# Altium PCB IPMC_TestBoard.PcbDoc
Units mil, origin at the board's own origin, x right, y up, seen from the top; angles counter-clockwise.
Board outline 5200 x 3400 mil, 4 copper layers (Component Side, Ground Plane, Power Plane, Solder Side), stack 33.234 mil thick; 63 components, 173 nets, 956 pads, 4 vias.
Unrouted connection lines stored in the file: 471.
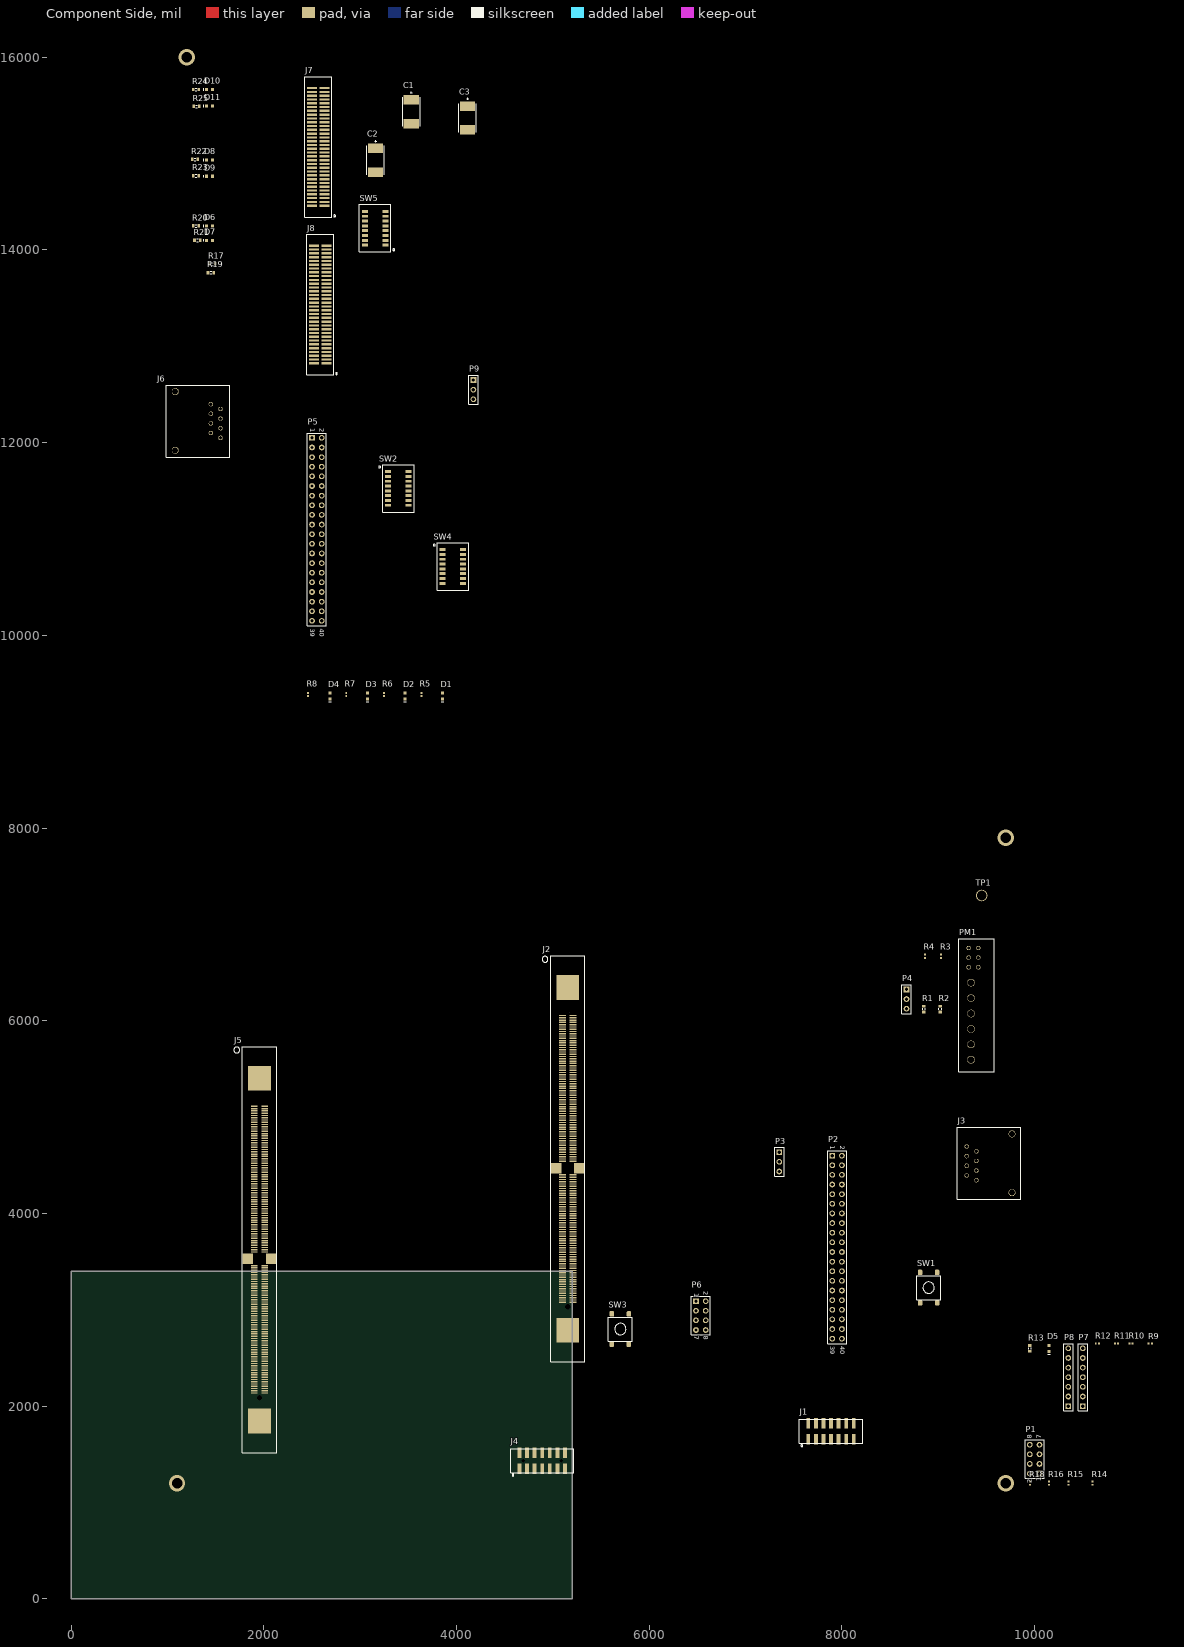
[diagram p0: Component Side view]
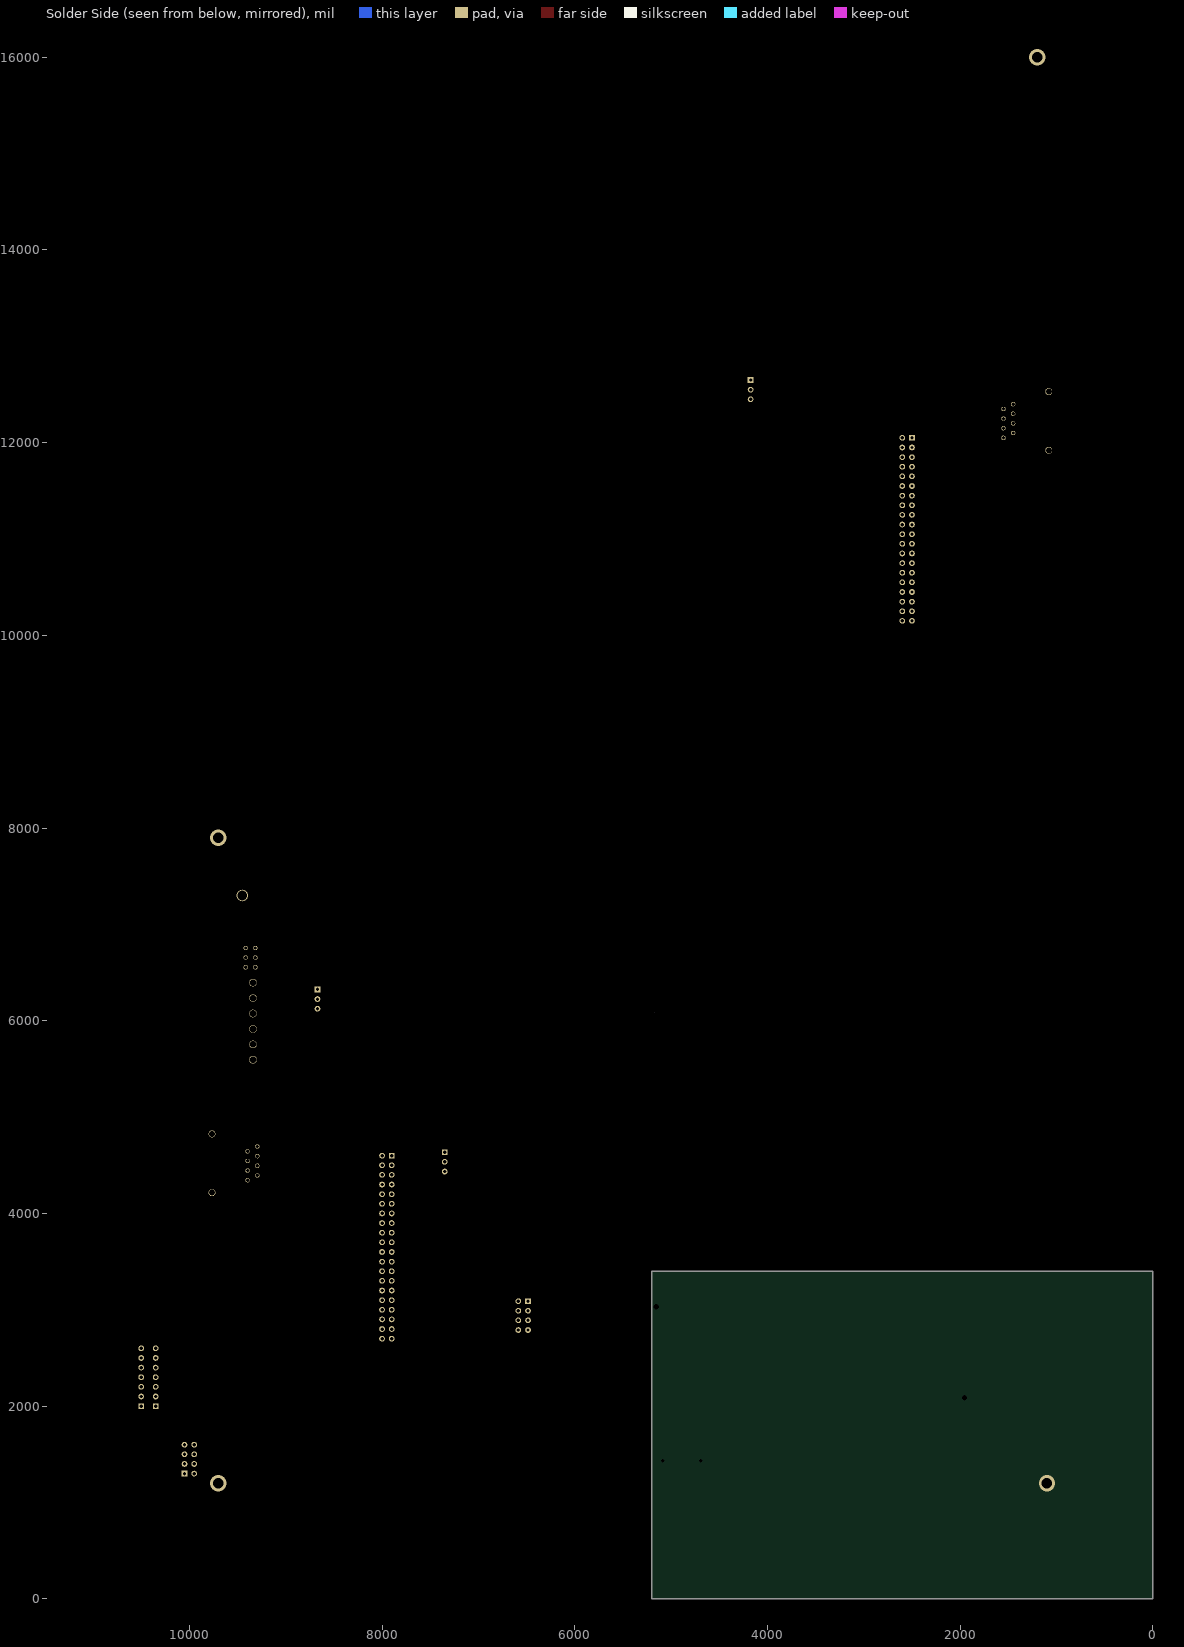
[diagram p1: Solder Side view, seen from below]
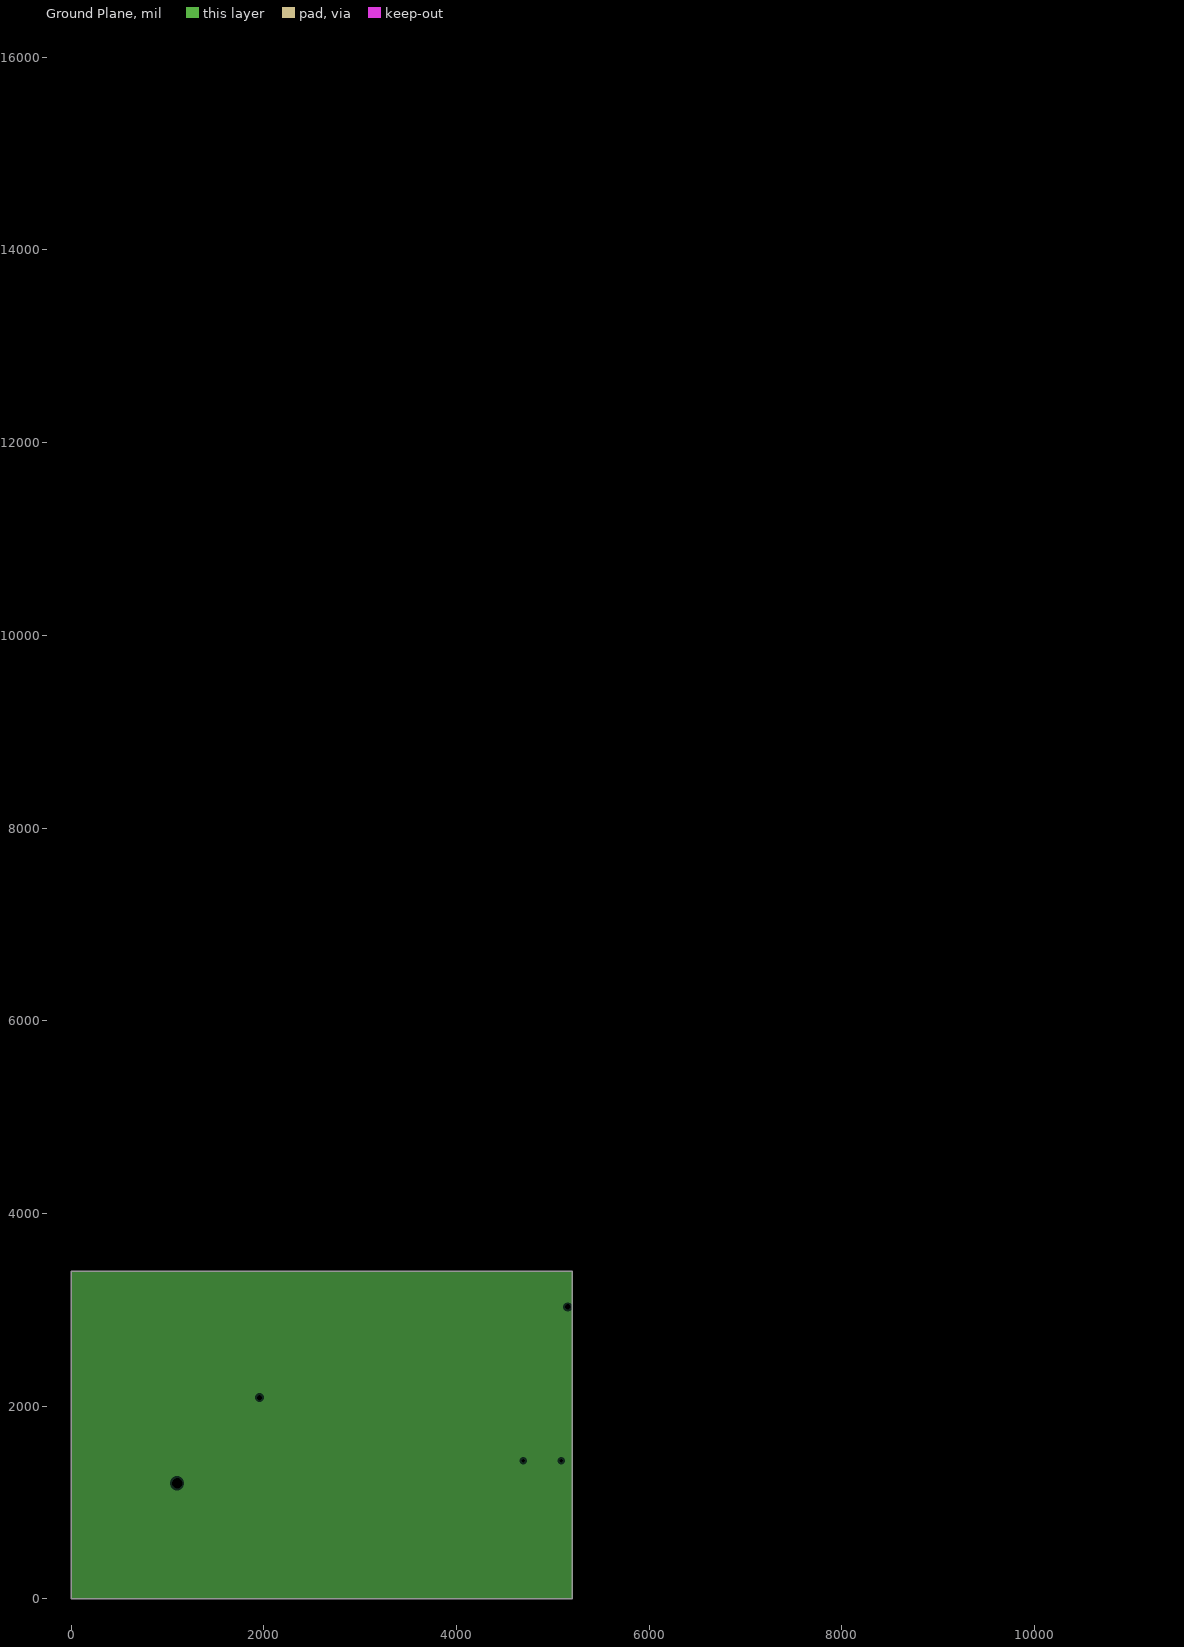
[diagram p2: Ground Plane, clearances drawn from the general rule]
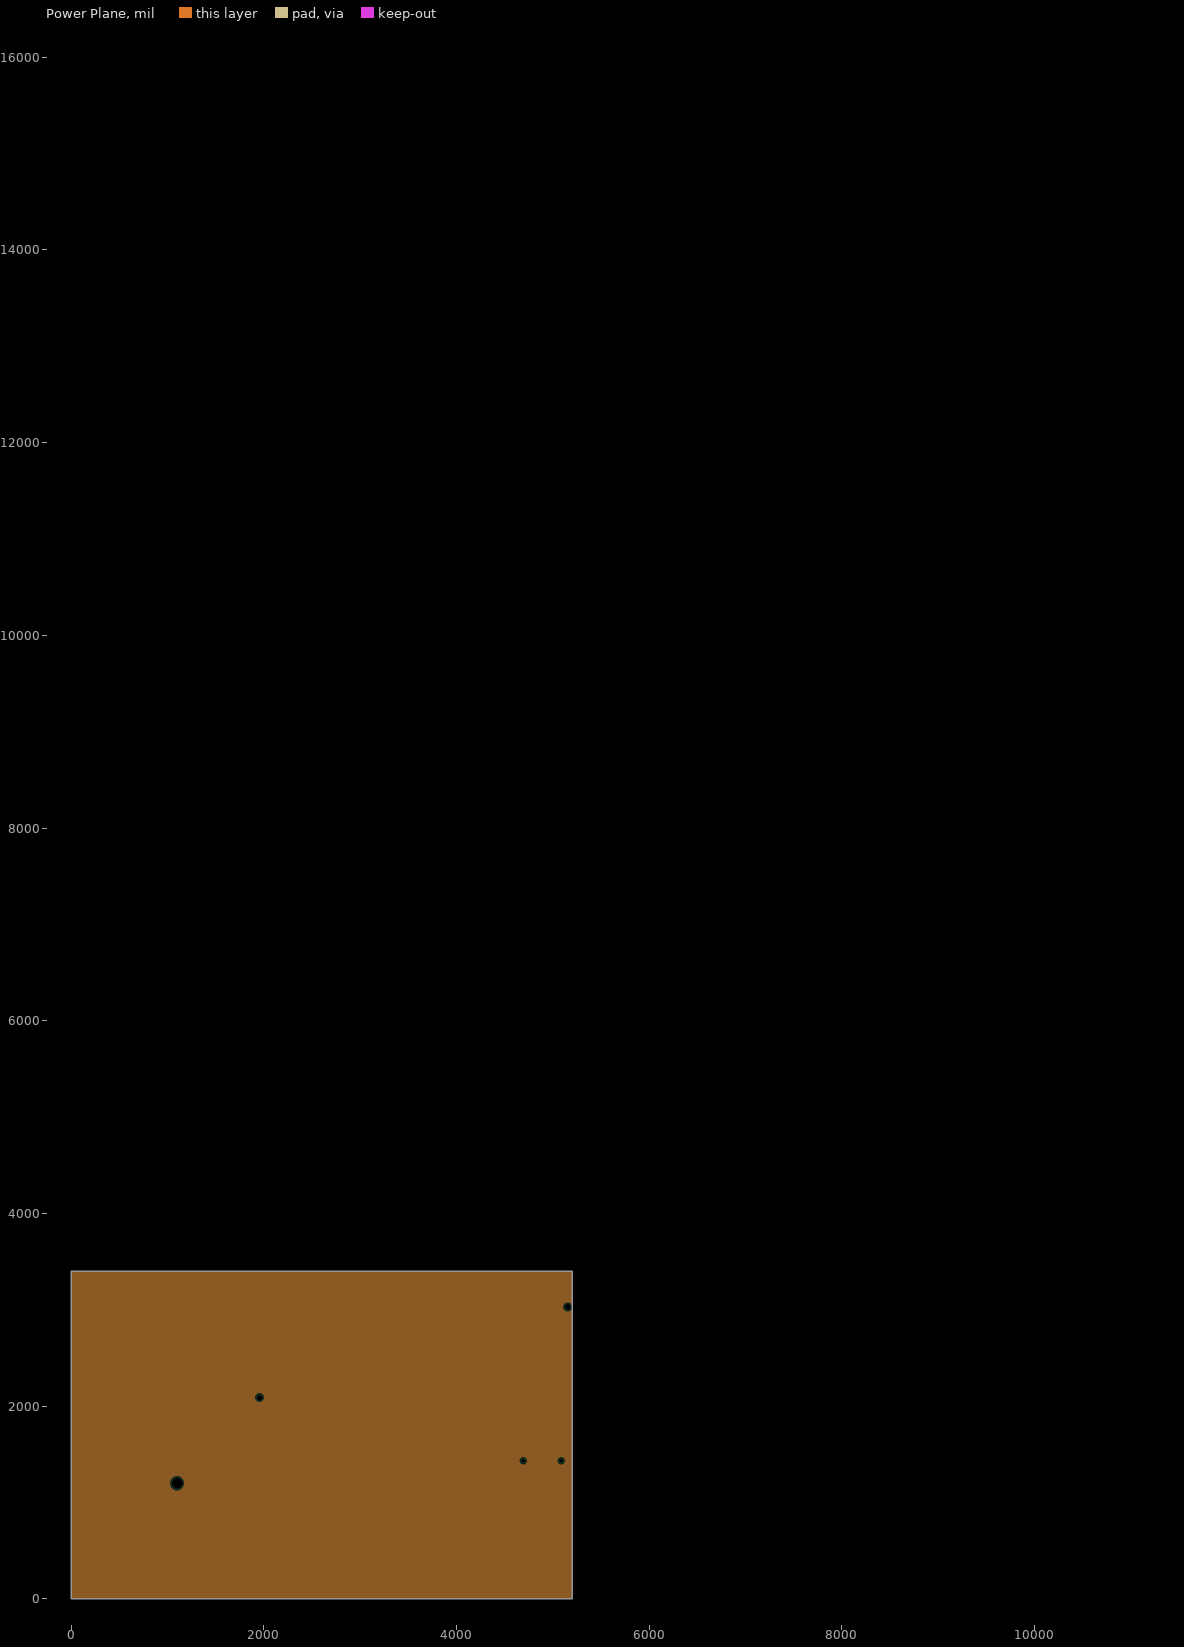
[diagram p3: Power Plane, clearances drawn from the general rule]

## Layer stack, top to bottom
Top Solder: solder mask 0.4, Solder Resist, Dk 3.5
Component Side: signal copper 1.4
Dielectric 1: core 12.6, FR-4, Dk 4.8
Ground Plane: plane copper 1.417
Dielectric 3: prepreg 5, Dk 4.2
Power Plane: plane copper 1.417
Dielectric 4: core 10, Dk 4.2
Solder Side: signal copper 1.4
Bottom Solder: solder mask 0.4, Solder Resist, Dk 3.5

## Board outline
0,0 0,3400 5200,3400 5200,0

## Design rules (kind name [scope] priority, off if disabled: settings)
Clearance [All] p1: gap=4 ignorepadtopadclearanceinfootprint=FALSE
PlaneClearance [All] p1: clearance=20
PlaneConnect [All] p1: planeconnectstyle=Relief reliefexpansion=20 reliefentries=4 reliefconductorwidth=10 reliefairgap=10
PolygonConnect [All] p1: connectstyle=Relief reliefconductorwidth=10 reliefentries=4 polygonreliefangle="90 Angle" airgapwidth=10
RoutingVias [All] p1: holewidth=28 width=50 viastyle="Through Hole" minholewidth=28 minwidth=50 maxholewidth=28 maxwidth=50
SolderMaskExpansion [All] p1: expansion=4
Width [All] p1: maxlimit=10 minlimit=10 preferedwidth=10
28 further rules are at their usual default settings.

## Classes and differential pairs
component class IPMC_Control: C1 J1 J2 J3 P1 P3 SW1
component class IPMC_TestBoard: C2 PM1 R1 R2 R3 R4 TP1
component class IPMC_UnderTesting: C3 D1 D2 D3 D4 D5 J4 J5 J6 P6 P7 P8 P9 P? R5 R6 R7 R8 R9 R10 R11 R12 R13 SW3 SW4 SW5
component class MMC_Interface: D6 D7 D8 D9 D10 D11 J7 J8 R14 R15 R16 R17 R18 R19 R20 R21 R22 R23 R24 R25 SW4 SW5

## Components (designator, comment, footprint, x,y, rotation, side; value= is the part's Value field where it differs from the comment)
C1 "150uF" VISH-293D-7343-31_V 3530,15435 r270 top
C2 "150uF" VISH-293D-7343-31_V 3160,14930 r270 top
C3 "150uF" VISH-293D-7343-31_V 4115,15370 r270 top
D1 "BLUE" LED0603_M 3855,9370 r90 top
D2 "BLUE" LED0603_M 3465,9370 r90 top
D3 "BLUE" LED0603_M 3075,9370 r90 top
D4 "BLUE" LED0603_M 2685,9370 r90 top
D5 "GREEN" LED0603_M 10150,2600 r90 top
D6 "GREEN" LED0603_M 1435,14250 r0 top
D7 "GREEN" LED0603_M 1435,14100 r0 top
D8 "BLUE" LED0603_M 1435,14935 r0 top
D9 "BLUE" LED0603_M 1435,14765 r0 top
D10 "OPEN" LED0603_M 1435,15665 r0 top
D11 "OPEN" LED0603_M 1435,15495 r0 top
J1 "?" 87832-1420 7650.63,1740 r0 top
J2 "IPMC" 87782-3007 5154.33,4470.87 r270 top
J3 "Ethernet Jack" 43202-8916 9395,4345 r90 top
J4 "?" 87832-1420 4652.52,1433.86 r0 top
J5 "IPMC" 87782-3007 1954.33,3529.13 r270 top
J6 "Ethernet Jack" 43202-8916 1450,12400 r270 top
J7 "MMC" 5120527-1 2564.96,15128.74 r90 top
J8 "MMC" 5120527-1 2585.04,13492.52 r90 top
P1 "IPMC XVC to CTRL JTAG" HDR2X4 10050,1300 r90 top
P2 "CTRL GPIO EXP" HDR2X20 7900,4600 r270 top
P3 "Control UART" HDR1X3 7350,4635 r270 top
P4 "PWREN" HDR1X3 8670,6325 r270 top
P5 "Header 20X2" HDR2X20 2500,12050 r270 top
P6 "JTAG Connect" HDR2X4 6485,3090 r270 top
P7 "MMC0 CTRL" HDR1X7 10500,2000 r90 top
P8 "MMC1 CTRL" HDR1X7 10350,2000 r90 top
P9 "IPMC UART" HDR1X3 4175,12650 r270 top
PM1 "UWLVPWRMODV2-PAR" UWLVPWRMODV2 9580,6850 r180 top
R1 "?" R0603 8850,6120 r270 top value=10k
R2 "?" R0603 9020,6120 r270 top value=10k
R3 "?" R0402 9030,6670 r270 top value=4.53k
R4 "?" R0402 8860,6670 r270 top value=26.1
R5 "?" R0402_IPC_H 3635,9385 r90 top value=681
R6 "?" R0402_IPC_H 3245,9385 r90 top value=681
R7 "?" R0402_IPC_H 2855,9385 r90 top value=681
R8 "?" R0402_IPC_H 2460,9385 r90 top value=681
R9 "?" R0402_IPC_H 11200,2650 r0 top value=10k
R10 "?" R0402_IPC_H 11000,2650 r0 top value=OPEN
R11 "?" R0402_IPC_H 10850,2650 r0 top value=10k
R12 "?" R0402_IPC_H 10650,2650 r0 top value=OPEN
R13 "?" R0603 9950,2600 r90 top value=681
R14 "?" R0402_IPC_H 10600,1200 r90 top value=OPEN
R15 "?" R0402_IPC_H 10350,1200 r90 top value=OPEN
R16 "?" R0402_IPC_H 10150,1200 r90 top value=OPEN
R17 "?" R0603 1465,13855 r0 top value=10k
R18 "?" R0402_IPC_H 9950,1200 r90 top value=OPEN
R19 "?" R0603 1450,13765 r0 top value=10k
R20 "?" R0603 1295,14250 r0 top value=681
R21 "?" R0603 1310,14100 r0 top value=681
R22 "?" R0603 1285,14940 r0 top value=681
R23 "?" R0603 1295,14770 r0 top value=681
R24 "?" R0603 1295,15665 r0 top value=OPEN
R25 "?" R0603 1300,15490 r0 top value=OPEN
SW1 "DTSM-61NT/R" DIPT-DTSM-6_V 8900,3230 r270 top
SW2 "SW-DIP-8" TDA208H0 3500,11700 r270 top
SW3 "DTSM-61NT/R" DIPT-DTSM-6_V 5700,2800 r270 top
SW4 "SW-DIP-8" TDA208H0 4065,10890 r270 top
SW5 "SW-DIP-8" TDA208H0 3050,14050 r90 top
TP1 "TP" TP 9450,7300 r180 top

## Footprints (in the part's own frame and the unit in brackets; to place one, negate y for a bottom-side part, rotate by r counter-clockwise, add the part's x,y. Pads: shape width x height; smd on the part's side, far side on the other; paste and mask are expansions set on the pad)
43202-8916 [mil] "Molex 43202-8916"
  round 45 hole 35: 1(0,0) 2(50,100) 3(100,0) 4(150,100) 5(200,0) 6(250,100) 7(300,0) 8(350,100)
  round 72 hole 62: 9(-130,-370) 10(480,-370)
  round 0 hole 128 unplated: ""(-50,-250) ""(400,-250)
  silkscreen extent -197,-461 551,197, body extent -149,-567 495,167, height 476
87782-3007 [mm] "Molex 87782-3009"
  rect 0.35x1.75 smd: 1(-40.2,-1.38) 2(-39.6,-1.38) 3(-39,-1.38) 4(-38.4,-1.38) 5(-37.8,-1.38) 6(-37.2,-1.38) 7(-36.6,-1.38) 8(-36,-1.38) 9(-35.4,-1.38) 10(-34.8,-1.38) 11(-34.2,-1.38) 12(-33.6,-1.38) 13(-33,-1.38) 14(-32.4,-1.38) 15(-31.8,-1.38) 16(-31.2,-1.38) 17(-30.6,-1.38) 18(-30,-1.38) 19(-29.4,-1.38) 20(-28.8,-1.38) 21(-28.2,-1.38) 22(-27.6,-1.38) 23(-27,-1.38) 24(-26.4,-1.38) 25(-25.8,-1.38) 26(-25.2,-1.38) 27(-24.6,-1.38) 28(-24,-1.38) 29(-23.4,-1.38) 30(-22.8,-1.38) 31(-22.2,-1.38) 32(-21.6,-1.38) 33(-21,-1.38) 34(-20.4,-1.38) 35(-19.8,-1.38) 36(-19.2,-1.38) 37(-18.6,-1.38) 38(-18,-1.38) 39(-17.4,-1.38) 40(-16.8,-1.38) 41(-16.2,-1.38) 42(-15.6,-1.38) 43(-15,-1.38) 44(-14.4,-1.38) 45(-13.8,-1.38) 46(-13.2,-1.38) 47(-12.6,-1.38) 48(-12,-1.38) 49(-11.4,-1.38) 50(-10.8,-1.38) 51(-10.2,-1.38) 52(-9.6,-1.38) 53(-9,-1.38) 54(-8.4,-1.38) 55(-7.8,-1.38) 56(-7.2,-1.38) 57(-6.6,-1.38) 58(-6,-1.38) 59(-5.4,-1.38) 60(-4.8,-1.38) 61(-4.2,-1.38) 62(-3.6,-1.38) 63(-3,-1.38) 64(-2.4,-1.38) 65(-1.8,-1.38) 66(1.8,-1.38) 67(2.4,-1.38) 68(3,-1.38) 69(3.6,-1.38) 70(4.2,-1.38) 71(4.8,-1.38) 72(5.4,-1.38) 73(6,-1.38) 74(6.6,-1.38) 75(7.2,-1.38) 76(7.8,-1.38) 77(8.4,-1.38) 78(9,-1.38) 79(9.6,-1.38) 80(10.2,-1.38) 81(10.8,-1.38) 82(11.4,-1.38) 83(12,-1.38) 84(12.6,-1.38) 85(13.2,-1.38) 86(13.8,-1.38) 87(14.4,-1.38) 88(15,-1.38) 89(15.6,-1.38) 90(16.2,-1.38) 91(16.8,-1.38) 92(17.4,-1.38) 93(18,-1.38) 94(18.6,-1.38) 95(19.2,-1.38) 96(19.8,-1.38) 97(20.4,-1.38) 98(21,-1.38) 99(21.6,-1.38) 100(22.2,-1.38) 101(22.8,-1.38) 102(23.4,-1.38) 103(24,-1.38) 104(24.6,-1.38) 105(25.2,-1.38) 106(25.8,-1.38) 107(26.4,-1.38) 108(27,-1.38) 109(27.6,-1.38) 110(28.2,-1.38) 111(28.8,-1.38) 112(29.4,-1.38) 113(30,-1.38) 114(30.6,-1.38) 115(31.2,-1.38) 116(31.8,-1.38) 117(32.4,-1.38) 118(33,-1.38) 119(33.6,-1.38) 120(34.2,-1.38) 121(34.8,-1.38) 122(35.4,-1.38) 123(-40.2,1.38) 124(-39.6,1.38) 125(-39,1.38) 126(-38.4,1.38) 127(-37.8,1.38) 128(-37.2,1.38) 129(-36.6,1.38) 130(-36,1.38) 131(-35.4,1.38) 132(-34.8,1.38) 133(-34.2,1.38) 134(-33.6,1.38) 135(-33,1.38) 136(-32.4,1.38) 137(-31.8,1.38) 138(-31.2,1.38) 139(-30.6,1.38) 140(-30,1.38) 141(-29.4,1.38) 142(-28.8,1.38) 143(-28.2,1.38) 144(-27.6,1.38) 145(-27,1.38) 146(-26.4,1.38) 147(-25.8,1.38) 148(-25.2,1.38) 149(-24.6,1.38) 150(-24,1.38) 151(-23.4,1.38) 152(-22.8,1.38) 153(-22.2,1.38) 154(-21.6,1.38) 155(-21,1.38) 156(-20.4,1.38) 157(-19.8,1.38) 158(-19.2,1.38) 159(-18.6,1.38) 160(-18,1.38) 161(-17.4,1.38) 162(-16.8,1.38) 163(-16.2,1.38) 164(-15.6,1.38) 165(-15,1.38) 166(-14.4,1.38) 167(-13.8,1.38) 168(-13.2,1.38) 169(-12.6,1.38) 170(-12,1.38) 171(-11.4,1.38) 172(-10.8,1.38) 173(-10.2,1.38) 174(-9.6,1.38) 175(-9,1.38) 176(-8.4,1.38) 177(-7.8,1.38) 178(-7.2,1.38) 179(-6.6,1.38) 180(-6,1.38) 181(-5.4,1.38) 182(-4.8,1.38) 183(-4.2,1.38) 184(-3.6,1.38) 185(-3,1.38) 186(-2.4,1.38) 187(-1.8,1.38) 188(1.8,1.38) 189(2.4,1.38) 190(3,1.38) 191(3.6,1.38) 192(4.2,1.38) 193(4.8,1.38) 194(5.4,1.38) 195(6,1.38) 196(6.6,1.38) 197(7.2,1.38) 198(7.8,1.38) 199(8.4,1.38) 200(9,1.38) 201(9.6,1.38) 202(10.2,1.38) 203(10.8,1.38) 204(11.4,1.38) 205(12,1.38) 206(12.6,1.38) 207(13.2,1.38) 208(13.8,1.38) 209(14.4,1.38) 210(15,1.38) 211(15.6,1.38) 212(16.2,1.38) 213(16.8,1.38) 214(17.4,1.38) 215(18,1.38) 216(18.6,1.38) 217(19.2,1.38) 218(19.8,1.38) 219(20.4,1.38) 220(21,1.38) 221(21.6,1.38) 222(22.2,1.38) 223(22.8,1.38) 224(23.4,1.38) 225(24,1.38) 226(24.6,1.38) 227(25.2,1.38) 228(25.8,1.38) 229(26.4,1.38) 230(27,1.38) 231(27.6,1.38) 232(28.2,1.38) 233(28.8,1.38) 234(29.4,1.38) 235(30,1.38) 236(30.6,1.38) 237(31.2,1.38) 238(31.8,1.38) 239(32.4,1.38) 240(33,1.38) 241(33.6,1.38) 242(34.2,1.38) 243(34.8,1.38) 244(35.4,1.38)
  rect 6.5x6 smd: ""(-47.6,0) ""(42.75,0)
  round 1 hole 1.4 unplated: ""(-41.4,0) ""(36.6,0)
  rect 2.8x2.77 smd: ""(0,3.08) ""(0,-3.08)
  round 1 hole 1.5 unplated: ""(0,0)
  silkscreen extent -55.95,-6.78 51.1,4.5, body extent -50.4,-3.91 45.6,3.99, height 17.14
87832-1420 [mm] "Molex 87832-1420"
  rect 1x2.75 smd: 1(0,-2.13) 2(0,2.13) 3(2,-2.13) 4(2,2.13) 5(4,-2.13) 6(4,2.13) 7(6,-2.13) 8(6,2.13) 9(8,-2.13) 10(8,2.13) 11(10,-2.13) 12(10,2.13) 13(12,-2.13) 14(12,2.13)
  round 0 hole 1 unplated: ""(1,0) ""(11,0)
  silkscreen extent -2.35,-4.05 14.33,3.15, body extent -2.32,-3.15 14.33,3.15, height 7.6
5120527-1 [mm] "TE 5120527-1"
  rect 0.6x2.7 smd: 1(-17,-1.65) 2(-17,1.65) 3(-16,-1.65) 4(-16,1.65) 5(-15,-1.65) 6(-15,1.65) 7(-14,-1.65) 8(-14,1.65) 9(-13,-1.65) 10(-13,1.65) 11(-12,-1.65) 12(-12,1.65) 13(-11,-1.65) 14(-11,1.65) 15(-10,-1.65) 16(-10,1.65) 17(-9,-1.65) 18(-9,1.65) 19(-8,-1.65) 20(-8,1.65) 21(-7,-1.65) 22(-7,1.65) 23(-6,-1.65) 24(-6,1.65) 25(-5,-1.65) 26(-5,1.65) 27(-4,-1.65) 28(-4,1.65) 29(-3,-1.65) 30(-3,1.65) 31(-2,-1.65) 32(-2,1.65) 33(-1,-1.65) 34(-1,1.65) 35(0,-1.65) 36(0,1.65) 37(1,-1.65) 38(1,1.65) 39(2,-1.65) 40(2,1.65) 41(3,-1.65) 42(3,1.65) 43(4,-1.65) 44(4,1.65) 45(5,-1.65) 46(5,1.65) 47(6,-1.65) 48(6,1.65) 49(7,-1.65) 50(7,1.65) 51(8,-1.65) 52(8,1.65) 53(9,-1.65) 54(9,1.65) 55(10,-1.65) 56(10,1.65) 57(11,-1.65) 58(11,1.65) 59(12,-1.65) 60(12,1.65) 61(13,-1.65) 62(13,1.65) 63(14,-1.65) 64(14,1.65)
  rect 0x0 hole 1.4 unplated: ""(-18.7,0) ""(15.7,0)
  silkscreen extent -20,-4.55 17,3.6, body extent -19.45,-3.02 16.45,3.03, height 8.4
DIPT-DTSM-6_V [mil] "Switch, Through-Hole, 4 Leads, Body 8.5x8.5mm, Row Spacing 9.0mm, Pitch 4.5mm"
  rrect50% 57x45 smd: 1(157.87,-88.58) 2(-157.48,-88.58) 3(157.87,88.19) 4(-157.48,88.19)
  silkscreen extent -124,-124 124,124, body extent -177,-122 177,122, height 177
HDR1X3 [mm] "Connector; Header; 3 Position"
  rect 1.5x1.5 hole 0.9: 1(0,0)
  round 1.5 hole 0.9: 2(2.54,0) 3(5.08,0)
  silkscreen extent -1.27,-1.27 6.35,1.27
HDR1X7 [mm] "Connector; Header; 7 Position"
  rect 1.5x1.5 hole 0.9: 1(0,0)
  round 1.5 hole 0.9: 2(2.54,0) 3(5.08,0) 4(7.62,0) 5(10.16,0) 6(12.7,0) 7(15.24,0)
  silkscreen extent -1.27,-1.27 16.51,1.27
HDR2X4 [mm] "Connector; Header; 4x2 Position"
  rect 1.5x1.5 hole 0.9: 1(0,0)
  round 1.5 hole 0.9: 2(0,2.54) 3(2.54,0) 4(2.54,2.54) 5(5.08,0) 6(5.08,2.54) 7(7.62,0) 8(7.62,2.54)
  silkscreen extent -1.27,-1.27 8.89,3.81
HDR2X20 [mm] "Connector; Header; 20x2 Position"
  rect 1.5x1.5 hole 0.9: 1(0,0)
  round 1.5 hole 0.9: 2(0,2.54) 3(2.54,0) 4(2.54,2.54) 5(5.08,0) 6(5.08,2.54) 7(7.62,0) 8(7.62,2.54) 9(10.16,0) 10(10.16,2.54) 11(12.7,0) 12(12.7,2.54) 13(15.24,0) 14(15.24,2.54) 15(17.78,0) 16(17.78,2.54) 17(20.32,0) 18(20.32,2.54) 19(22.86,0) 20(22.86,2.54) 21(25.4,0) 22(25.4,2.54) 23(27.94,0) 24(27.94,2.54) 25(30.48,0) 26(30.48,2.54) 27(33.02,0) 28(33.02,2.54) 29(35.56,0) 30(35.56,2.54) 31(38.1,0) 32(38.1,2.54) 33(40.64,0) 34(40.64,2.54) 35(43.18,0) 36(43.18,2.54) 37(45.72,0) 38(45.72,2.54) 39(48.26,0) 40(48.26,2.54)
  silkscreen extent -1.27,-1.27 49.53,3.81
LED0603_M [mm] "Chip LED, 2-Leads, Body 1.6x0.8mm, IPC Medium Density"
  rect 0.8x0.8 smd: 1(-0.8,0) 2(0.8,0)
  silkscreen extent -1.5,-0.3 -1.5,0.3, body extent -0.8,-0.4 0.8,0.4, height 0.7
R0402 [mm] "Chip Resistor, 2-Leads, Body 1.00x0.50mm, IPC Medium Density"
  rect 0.55x0.55 smd: 1(-0.45,0) 2(0.45,0)
  body extent -0.53,-0.27 0.53,0.28, height 0.35
R0402_IPC_H [mm] "Chip Resistor, 2-Leads, Body 1.00x0.50mm, IPC High Density"
  rect 0.5x0.52 smd: 1(-0.415,0) 2(0.415,0)
  body extent -0.53,-0.28 0.53,0.28, height 0.4
R0603 [mm] "Chip Resistor, Body 1.6x0.8mm, IPC High Density"
  rect 0.7x0.9 smd: 1(-0.75,0) 2(0.75,0)
  silkscreen extent -0.2,-0.35 0.2,0.35, body extent -0.85,-0.48 0.85,0.48, height 0.9
TDA208H0 [mm] "C&K TDA208H0"
  rect 0.76x1.6 smd: 1(0,-5.37) 2(1.27,-5.37) 3(2.54,-5.37) 4(3.81,-5.37) 5(5.08,-5.37) 6(6.35,-5.37) 7(7.62,-5.37) 8(8.89,-5.37) 9(8.89,0) 10(7.62,0) 11(6.35,0) 12(5.08,0) 13(3.81,0) 14(2.54,0) 15(1.27,0) 16(0,0)
  silkscreen extent -1.75,-7.8 10.75,1.5, body extent -1.15,-5.9 10.15,0.45, height 2.45
TP [mil] "Test Point"
  round 120 hole 100: 1(0,0)
UWLVPWRMODV2 [mil] "UW Low-voltage Power Module V2"
  round 45 hole 35: 1(165,95) 2(265,95) 3(165,195) 4(265,195) 5(165,295) 6(265,295)
  round 79 hole 69: 7(240,455) 8(240,615) 9(240,775) 10(240,935) 11(240,1095) 12(240,1255)
  silkscreen extent 0,0 370,1380
VISH-293D-7343-31_V [mm] "Molded Capacitor, 2-Leads, Body 7.6x4.6mm"
  rect 2.5x4 smd: 1(-3.15,0) 2(3.15,0)
  silkscreen extent -5.3,-2.3 3.8,2.3, body extent -4.02,-2.3 4.02,2.3, height 3.1

## Part data
C1 C2 C3: library part "Cap Pol3", "Polarized Capacitor (Surface Mount)", Rating=6.3V, LatestRevisionDate=29-May-2009, LatestRevisionNote="IPC-7351 Footprint Added.", PackageDescription="Chip Capacitor", PackageReference=C0805, Published=8-Jun-2000, Publisher="Altium Limited"
D1 D2 D3 D4 D5 D6 D7 D8 D9 D10 D11: library part LED, "Light Emitting Diode"
J1 J4: library part "Xilinx JTAG Header", "Molex 87832-1420"
J2 J5: "Molex 87782-3009"
J3 J6: "RJ45 Ethernet Jack"
J7 J8: "TE 5120527-1"
P1 P6: library part "Header 4X2", "Header, 4-Pin, Dual row", LatestRevisionDate=17-Jul-2002, LatestRevisionNote="Re-released for DXP Platform.", Publisher="Altium Limited"
P2: library part "Header 20X2", "Header, 20-Pin, Dual row", LatestRevisionDate=17-Jul-2002, LatestRevisionNote="Re-released for DXP Platform.", Publisher="Altium Limited"
P3 P4 P9: library part "Header 3", "Header, 3-Pin", LatestRevisionDate=17-Jul-2002, LatestRevisionNote="Re-released for DXP Platform.", Publisher="Altium Limited"
P5: "Header, 20-Pin, Dual row", LatestRevisionDate=17-Jul-2002, LatestRevisionNote="Re-released for DXP Platform.", Publisher="Altium Limited"
P7 P8: library part "Header 7", "Header, 7-Pin", LatestRevisionDate=17-Jul-2002, LatestRevisionNote="Re-released for DXP Platform.", Publisher="Altium Limited"
PM1: "UW Low-voltage Power Module V2"
R1 R2 R3 R5 R6 R7 R8 R9 R10 R11 R12 R13 R14 R15 R16 R17 R18 R19 R20 R21 R22 R23 R24 R25: library part Res, "Resistor", Tolerance=1%, PackageDescription="Chip Resistor"
R4: library part Res, "Resistor", Tolerance=0.1%, PackageDescription="Chip Resistor"
SW1 SW3: library part CMP-0306-00001-1, "Switch, SPNO Push Button SMD", Manufacturer=Diptronics, ComponentLink1Description="Manufacturer URL", ComponentLink1URL=http://www.dip.com.tw/, ComponentLink2Description=Datasheet, ComponentLink2URL=http://www.dip.com.tw/Products_tact.htm, ComponentLink3Description="Package Specification", ComponentLink3URL=http://www.dip.com.tw/PDF/pro_tact/DTSM_G_-6_2_-V.pdf, Mechanical Life="200,000 cycles", Mounting Technology="Through Hole", PackageDescription="Switch, Through-Hole, 4 Leads, Body 8.5x8.5mm, Row Spacing 9.0mm, Pitch 4.5mm", PackageReference=DTSM-6, Packing Type=Tape&Reel, PartNumber=DTSM-61NT/R
SW2 SW4 SW5: "C&K TDA08H0SB1R"
TP1: "Test Point"

## Via types
v1: diameter 168, hole 106.3, Component Side to Solder Side, 4 vias

## Nets (pads, with @x,y where several pads share a name; then routed paths per layer and width w, separated by ;. In a path a pad name is that pad's centre, name@x,y a point inside that pad or via, vN(x,y) a via of type N, cw(c..) or ccw(c..) an arc to the next point about the centre after c; other vN are vias at no path point)
+12V: J5.2 J7.4 J8.4 PM1.12 R1.2
\CTRL_EXT_RST: J2.223 SW1.1
\IPMC_EXT_RST: J5.223 SW3.1
\MMC0_BLLED: J7.19 R22.1
\MMC0_ENAIN: J5.25 J7.20
\MMC0_LED1: J7.24 R24.1
\MMC0_PS1: J5.24 J7.53 R17.1
\MMC1_BLLED: J8.19 R23.1
\MMC1_ENAIN: J5.36 J8.20
\MMC1_LED1: J8.24 R25.1
\MMC1_PS1: J5.35 J8.53 R19.1
CTRL_GB_A_N: J2.175 J3.2
CTRL_GB_A_P: J2.174 J3.1
CTRL_GB_B_N: J2.178 J3.6
CTRL_GB_B_P: J2.177 J3.3
CTRL_GB_C_N: J2.181 J3.5
CTRL_GB_C_P: J2.180 J3.4
CTRL_GB_D_N: J2.184 J3.8
CTRL_GB_D_P: J2.183 J3.7
CTRL_GPIO_11: J2.192 P2.1
CTRL_GPIO_12: J2.194 P2.3
CTRL_GPIO_13: J2.195 P2.5
CTRL_GPIO_14: J2.197 P2.7
CTRL_GPIO_15: J2.198 P2.9
CTRL_GPIO_17: J2.200 P2.11
CTRL_GPIO_19: J2.201 P2.13
CTRL_GPIO_21: J2.203 P2.15
CTRL_GPIO_23: J2.204 P2.17
CTRL_GPIO_25: J2.206 P2.19
CTRL_GPIO_27: J2.207 P2.21
CTRL_GPIO_29: J2.209 P2.23
CTRL_GPIO_31: J2.210 P2.25
CTRL_GPIO_33: J2.212 P2.27
CTRL_GPIO_35: J2.213 P2.29
CTRL_GPIO_37: J2.214 P2.31
CTRL_GPIO_39: J2.215 P2.33
CTRL_GPIO_41: J2.216 P2.35
CTRL_GPIO_43: J2.217 P2.37
CTRL_GPIO_45: J2.218 P2.39
CTRL_JMST_TCK: J2.231 P6.5
CTRL_JMST_TDI: J2.232 P6.1
CTRL_JMST_TDO: J2.109 P6.3
CTRL_JMST_TMS: J2.110 P6.7
CTRL_JTAG_TCK: J1.6 J2.234 P1.6
CTRL_JTAG_TDI: J1.10 J2.235 P1.2
CTRL_JTAG_TDO: J1.8 J2.112 P1.4
CTRL_JTAG_TMS: J1.4 J2.113 P1.8
CTRL_UART_RX: J2.60 P3.3
CTRL_UART_TX: J2.57 P3.2
IPMB-A_SCL: J2.120 J5.120
IPMB-A_SDA: J2.121 J5.121
IPMB-B_SCL: J2.242 J5.242
IPMB-B_SDA: J2.243 J5.243
IPMC_ADC-A_IN1: J5.3 R10.1 R12.2
IPMC_ADC-B_IN2: J5.124 R9.1 R11.2
IPMC_ALARM_A: J5.226 SW2.12
IPMC_ALARM_B: J5.227 SW2.11
IPMC_ATCA_BLUE_LED: J5.103 R5.1
IPMC_ATCA_LED1: J5.104 R6.1
IPMC_ATCA_LED2: J5.105 R7.1
IPMC_ATCA_LED3: J5.106 R8.1
IPMC_GB_A_N: J5.172 J6.2
IPMC_GB_A_P: J5.171 J6.1
IPMC_GB_B_N: J5.175 J6.6
IPMC_GB_B_P: J5.174 J6.3
IPMC_GB_C_N: J5.178 J6.5
IPMC_GB_C_P: J5.177 J6.4
IPMC_GB_D_N: J5.181 J6.8
IPMC_GB_D_P: J5.180 J6.7
IPMC_GPIO_4: J5.63 P5.6
IPMC_GPIO_5: J5.64 P5.8
IPMC_GPIO_6: J2.63 J5.186
IPMC_GPIO_7: J2.64 J5.187
IPMC_GPIO_16: J5.78 P5.10
IPMC_GPIO_18: J5.79 P5.12
IPMC_GPIO_19: J2.78 J5.201
IPMC_GPIO_20: J5.81 P5.14
IPMC_GPIO_21: J2.79 J5.203
IPMC_GPIO_22: J5.82 P5.16
IPMC_GPIO_23: J2.81 J5.204
IPMC_GPIO_24: J5.84 P5.18
IPMC_GPIO_25: J2.82 J5.206
IPMC_GPIO_26: J5.85 P5.20
IPMC_GPIO_27: J2.84 J5.207
IPMC_GPIO_28: J5.87 P5.22
IPMC_GPIO_29: J2.85 J5.209
IPMC_GPIO_30: J5.88 P5.24
IPMC_GPIO_31: J2.87 J5.210
IPMC_GPIO_32: J5.90 P5.26
IPMC_GPIO_33: J2.88 J5.212
IPMC_GPIO_34: J5.91 P5.28
IPMC_GPIO_35: J2.90 J5.213
IPMC_GPIO_36: J5.92 P5.30
IPMC_GPIO_37: J2.91 J5.214
IPMC_GPIO_38: J5.93 P5.32
IPMC_GPIO_39: J2.92 J5.215
IPMC_GPIO_40: J5.94 P5.34
IPMC_GPIO_41: J2.93 J5.216
IPMC_GPIO_42: J5.95 P5.36
IPMC_GPIO_43: J2.94 J5.217
IPMC_GPIO_44: J5.96 P5.38
IPMC_GPIO_45: J2.95 J5.218
IPMC_GPIO_46: J5.98 P5.40
IPMC_GPIO_47: C1.2 C2.2 C3.2 D5.2 D6.2 D7.2 J1.3 J1.5 J1.7 J1.9 J1.11 J2.1 J2.4 J2.9 J2.12 J2.23 J2.34 J2.45 J2.56 J2.59 J2.62 J2.89 J2.96 J2.97 J2.102 J2.107 J2.111 J2.114 J2.119 J2.122 J2.123 J2.126 J2.131 J2.134 J2.145 J2.156 J2.167 J2.170 J2.173 J2.176 J2.179 J2.182 J2.185 J2.190 J2.193 J2.196 J2.199 J2.202 J2.205 J2.208 J2.211 J2.219 J2.222 J2.230 J2.233 J2.236 J2.241 J2.244 J3.9 J3.10 J4.3 J4.5 J4.7 J4.9 J4.11 J5.1 J5.4 J5.9 J5.12 J5.23 J5.34 J5.45 J5.56 J5.59 J5.62 J5.89 J5.97 J5.102 J5.107 J5.111 J5.114 J5.119 J5.122 J5.123 J5.126 J5.131 J5.134 J5.145 J5.156 J5.167 J5.170 J5.173 J5.176 J5.179 J5.182 J5.185 J5.190 J5.193 J5.196 J5.199 J5.202 J5.205 J5.208 J5.211 J5.219 J5.220 J5.222 J5.230 J5.233 J5.236 J5.241 J5.244 J6.9 J6.10 J7.2 J7.7 J7.17 J7.18 J7.23 J7.26 J7.34 J7.39 J7.40 J7.54 J7.63 J7.64 J8.2 J8.7 J8.17 J8.18 J8.23 J8.26 J8.34 J8.39 J8.40 J8.54 J8.63 J8.64 P2.10 P2.12 P2.14 P2.16 P2.18 P2.20 P2.22 P2.24 P2.26 P2.28 P2.30 P2.32 P2.34 P2.36 P2.38 P2.40 P3.1 P4.3 P5.5 P5.7 P5.9 P5.11 P5.13 P5.15 P5.17 P5.19 P5.21 P5.23 P5.25 P5.27 P5.29 P5.31 P5.33 P5.35 P5.37 P5.39 P7.7 P8.7 P9.1 PM1.9 PM1.10 PM1.11 R2.1 R11.1 R12.1 R16.1 R18.1 SW1.4 SW2.1 SW3.4 SW4.1 SW4.2 SW4.3 SW4.4 SW4.5 SW4.6 SW4.7 SW4.8 SW5.1 SW5.2 SW5.3 SW5.4 SW5.5 SW5.6 SW5.7 SW5.8
IPMC_GPIO_49: J2.98 J5.221
IPMC_HA0: J5.115 SW4.16
IPMC_HA1: J5.237 SW4.15
IPMC_HA2: J5.116 SW4.14
IPMC_HA3: J5.238 SW4.13
IPMC_HA4: J5.117 SW4.12
IPMC_HA5: J5.239 SW4.11
IPMC_HA6: J5.118 SW4.10
IPMC_HA7: J5.240 SW4.9
IPMC_HNDL_SW: J5.224 SW2.16
IPMC_JMST_TCK: J5.231 P1.5
IPMC_JMST_TDI: J5.232 P1.1
IPMC_JMST_TDO: J5.109 P1.3
IPMC_JMST_TMS: J5.110 P1.7
IPMC_JTAG_TCK: J4.6 J5.234 P6.6
IPMC_JTAG_TDI: J4.10 J5.235 P6.2
IPMC_JTAG_TDO: J4.8 J5.112 P6.4
IPMC_JTAG_TMS: J4.4 J5.113 P6.8
IPMC_PG_A: J5.228 SW2.10
IPMC_PG_B: J5.229 SW2.9
IPMC_UART_RX: J5.60 P9.3
IPMC_UART_TX: J5.57 P9.2
MMC0_GA0: J7.15 SW5.14
MMC0_GA1: J7.13 SW5.15
MMC0_GA2: J7.11 SW5.16
MMC0_MODSW: J7.21 SW5.13
MMC0_PWREN: J7.22 R20.1
MMC0_SCL: J5.26 J7.14
MMC0_SDA: J5.27 J7.16
MMC0_SENSE3: J7.8 R15.1 R18.2
MMC1_GA0: J8.15 SW5.10
MMC1_GA1: J8.13 SW5.11
MMC1_GA2: J8.11 SW5.12
MMC1_MODSW: J8.21 SW5.9
MMC1_PWREN: J8.22 R21.1
MMC1_SCL: J5.37 J8.14
MMC1_SDA: J5.38 J8.16
MMC1_SENSE3: J8.8 R14.1 R16.2
MP_ENA_0: J5.28 P7.1
MP_ENA_2: J5.39 P8.1
MP_FLT_0: J5.32 P7.5
MP_FLT_2: J5.43 P8.5
MP_PG_0: J5.30 P7.3
MP_PG_2: J5.41 P8.3
NetD1_1: D1.1 R5.2
NetD2_1: D2.1 R6.2
NetD3_1: D3.1 R7.2
NetD4_1: D4.1 R8.2
NetD5_1: D5.1 R13.2
NetD6_1: D6.1 R20.2
NetD7_1: D7.1 R21.2
NetD8_1: D8.1 R22.2
NetD9_1: D9.1 R23.2
NetD10_1: D10.1 R24.2
NetD11_1: D11.1 R25.2
NetP4_1: P4.1 R1.1 R2.2
NetP4_2: P4.2 PM1.2
NetPM1_1: PM1.1 TP1.1
NetPM1_3: PM1.3 R3.2
NetPM1_4: PM1.4 R4.1
NetR3_1: R3.1 R4.2
PWR_ENA_0: J5.29 P7.2
PWR_ENA_2: J5.40 P8.2
PWR_FLT_0: J5.33 P7.6
PWR_FLT_2: J5.44 P8.6
PWR_PG_0: J5.31 P7.4
PWR_PG_2: J5.42 P8.4
PYLD12V_EN: J5.225 R13.1
VCC3.3: C1.1 C2.1 C3.1 D1.2 D2.2 D3.2 D4.2 D8.2 D9.2 D10.2 D11.2 J1.2 J2.65 J2.66 J2.67 J2.68 J2.69 J2.70 J2.71 J2.72 J2.73 J2.74 J2.75 J2.76 J2.77 J2.80 J2.83 J2.86 J4.2 J5.65 J5.66 J5.67 J5.68 J5.69 J5.70 J5.71 J5.72 J5.73 J5.74 J5.75 J5.76 J5.77 J5.80 J5.83 J5.86 J7.6 J7.9 J7.12 J7.27 J7.33 J7.49 J7.50 J8.6 J8.9 J8.12 J8.27 J8.33 J8.49 J8.50 P2.2 P2.4 P2.6 P2.8 P5.1 P5.2 P5.3 P5.4 PM1.5 PM1.7 PM1.8 R9.2 R10.2 R14.2 R15.2 R17.2 R19.2 SW2.5 SW2.6 SW2.7 SW2.8
pads on no net: J1. J1.1 J1.12 J1.13 J1.14 J2. J2.2 J2.3 J2.5 J2.6 J2.7 J2.8 J2.10 J2.11 J2.13 J2.14 J2.15 J2.16 J2.17 J2.18 J2.19 J2.20 J2.21 J2.22 J2.24 J2.25 J2.26 J2.27 J2.28 J2.29 J2.30 J2.31 J2.32 J2.33 J2.35 J2.36 J2.37 J2.38 J2.39 J2.40 J2.41 J2.42 J2.43 J2.44 J2.46 J2.47 J2.48 J2.49 J2.50 J2.51 J2.52 J2.53 J2.54 J2.55 J2.58 J2.61 J2.99 J2.100 J2.101 J2.103 J2.104 J2.105 J2.106 J2.108 J2.115 J2.116 J2.117 J2.118 J2.124 J2.125 J2.127 J2.128 J2.129 J2.130 J2.132 J2.133 J2.135 J2.136 J2.137 J2.138 J2.139 J2.140 J2.141 J2.142 J2.143 J2.144 J2.146 J2.147 J2.148 J2.149 J2.150 J2.151 J2.152 J2.153 J2.154 J2.155 J2.157 J2.158 J2.159 J2.160 J2.161 J2.162 J2.163 J2.164 J2.165 J2.166 J2.168 J2.169 J2.171 J2.172 J2.186 J2.187 J2.188 J2.189 J2.191 J2.220 J2.221 J2.224 J2.225 J2.226 J2.227 J2.228 J2.229 J2.237 J2.238 J2.239 J2.240 J3. J4. J4.1 J4.12 J4.13 J4.14 J5. J5.5 J5.6 J5.7 J5.8 J5.10 J5.11 J5.13 J5.14 J5.15 J5.16 J5.17 J5.18 J5.19 J5.20 J5.21 J5.22 J5.46 J5.47 J5.48 J5.49 J5.50 J5.51 J5.52 J5.53 J5.54 J5.55 J5.58 J5.61 J5.99 J5.100 J5.101 J5.108 J5.125 J5.127 J5.128 J5.129 J5.130 J5.132 J5.133 J5.135 J5.136 J5.137 J5.138 J5.139 J5.140 J5.141 J5.142 J5.143 J5.144 J5.146 J5.147 J5.148 J5.149 J5.150 J5.151 J5.152 J5.153 J5.154 J5.155 J5.157 J5.158 J5.159 J5.160 J5.161 J5.162 J5.163 J5.164 J5.165 J5.166 J5.168 J5.169 J5.183 J5.184 J5.188 J5.189 J5.191 J5.192 J5.194 J5.195 J5.197 J5.198 J5.200 J6. J7. J7.1 J7.3 J7.5 J7.10 J7.25 J7.28 J7.29 J7.30 J7.31 J7.32 J7.35 J7.36 J7.37 J7.38 J7.41 J7.42 J7.43 J7.44 J7.45 J7.46 J7.47 J7.48 J7.51 J7.52 J7.55 J7.56 J7.57 J7.58 J7.59 J7.60 J7.61 J7.62 J8. J8.1 J8.3 J8.5 J8.10 J8.25 J8.28 J8.29 J8.30 J8.31 J8.32 J8.35 J8.36 J8.37 J8.38 J8.41 J8.42 J8.43 J8.44 J8.45 J8.46 J8.47 J8.48 J8.51 J8.52 J8.55 J8.56 J8.57 J8.58 J8.59 J8.60 J8.61 J8.62 PM1.6 SW1.2 SW1.3 SW2.2 SW2.3 SW2.4 SW2.13 SW2.14 SW2.15 SW3.2 SW3.3
copper on no net:
  other v1: 1100,1200 9700,1200 9700,7900 1200,16000

## Polygon pours and split planes (outlines as drawn)
no net on Ground Plane (split plane): 5200,0 0,0 0,3400 5200,3400
no net on Power Plane (split plane): 5200,0 0,0 0,3400 5200,3400

## Text inside footprints (layer, text, board x,y; h text height)
P1: Top Overlay "2" at 9970,1200 h50 r90; Top Overlay "1" at 10070,1220 h50 r90; Top Overlay "7" at 10070,1660 h50 r90; Top Overlay "8" at 9970,1660 h50 r90
P2: Top Overlay "1" at 7880,4700 h50 r270; Top Overlay "2" at 7980,4700 h50 r270; Top Overlay "40" at 7980,2620 h50 r270; Top Overlay "39" at 7880,2620 h50 r270
P5: Top Overlay "1" at 2480,12150 h50 r270; Top Overlay "2" at 2580,12150 h50 r270; Top Overlay "40" at 2580,10070 h50 r270; Top Overlay "39" at 2480,10070 h50 r270
P6: Top Overlay "2" at 6565,3190 h50 r270; Top Overlay "1" at 6465,3170 h50 r270; Top Overlay "7" at 6465,2730 h50 r270; Top Overlay "8" at 6565,2730 h50 r270